# KiCad board pcb.kicad_pcb (continued)
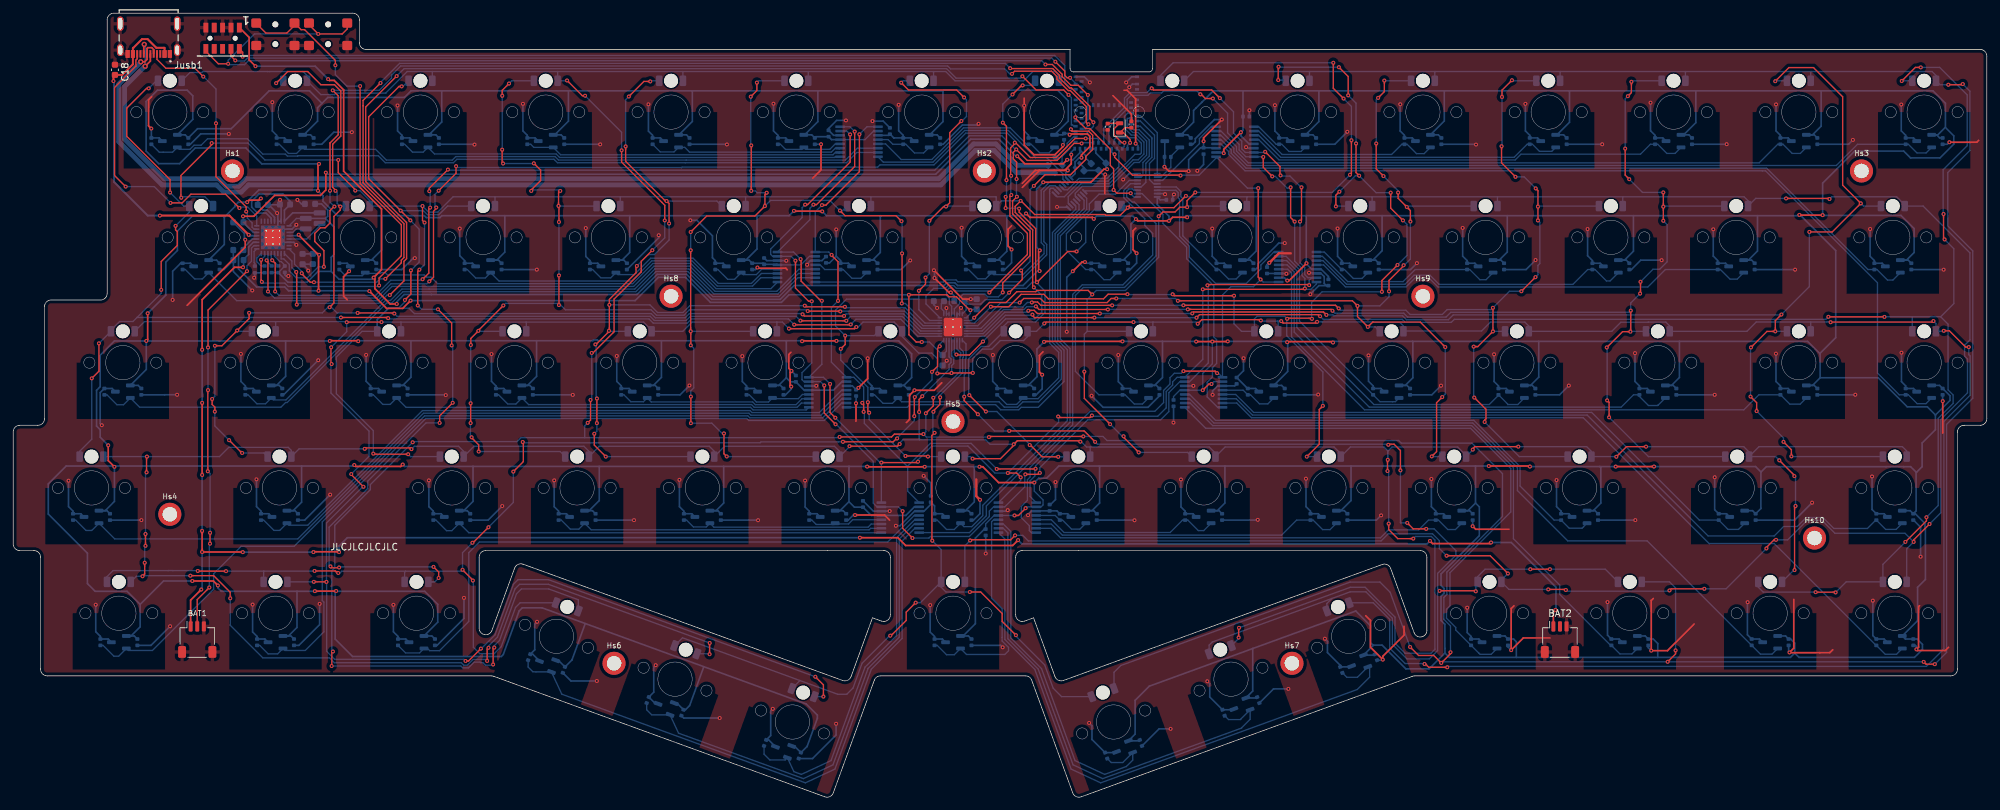
[diagram p0: board, top side]
## Routing (per net, layer and track width the routed paths; a pad name or vN(x,y) marks a point on that pad's centre or on a via; arc(x,y) is an arc through that point) (continued)
VCCS: length 2367
  Top w0.2: v1(181.69,62.61) 181.31,62.61 v1(180.37,61.67) ; v1(151.82,42.67) 152.43,42.67 153.51,43.76 v1(153.51,43.78)
  Top w0.25: v1(15.35,50.05) 14.41,50.99 v1(14.41,53.32) ; v1(37.55,90.75) 37.3,90.49 35.78,90.49 v1(35.47,90.18) ; v1(200.12,68.9) 199.98,69.04 193.25,69.04 v1(193.16,68.95) ; v1(163.85,87.66) 163.62,87.88 154.17,87.88 v1(153.58,88.47) ; v1(59.06,50.4) 58.77,50.11 51.93,50.11 v1(51.72,50.32) ; v1(178,87.9) 175.8,87.9 v1(175.25,87.35) 170.5,87.35 v1(170.23,87.62) ; v1(48.01,69.14) 48.04,69.17 52.24,69.17 v1(52.31,69.1) ; v1(48.96,31.22) 48.94,31.2 v1(45.74,31.2) ; v1(146.51,50.06) 147.02,50.06 149.42,47.66 v1(154.83,47.66) ; v1(129.48,50.08) 129.51,50.05 v1(138.21,50.05) ; v1(118.38,88.87) 118.42,88.83 122.63,88.83 v1(122.67,88.79) ; v1(20.18,69.14) 20.39,69.35 v1(20.39,73.33) ; v1(161.97,96.93) 161.97,97.35 163.25,98.62 163.25,100.17 162.9,100.52 160.3,100.52 v1(160.19,100.41) ; v1(156.3,69) 156.38,69.07 v1(168.2,69.07) ; v1(223.74,50.17) 229.89,50.17 v1(229.97,50.09) ; v1(124.83,69.15) 119.66,69.15 v1(119.61,69.1) ; v1(196.1,80.92) 196.1,80.91 193.48,78.3 v1(193.18,78.3) ; v1(179.36,69.05) v1(181.82,69.05) 184.13,69.05 v1(184.16,69.08) ; v1(186.15,100.79) 183.55,98.19 v1(183.55,97.61) ; v1(242.97,50.09) v1(248.79,50.09) ; v1(31.04,32.04) 30.36,32.73 27.16,32.73 v1(27.16,32.73) ; v1(46.22,91.91) 46.22,95.83 v1(46.37,95.99) ; v1(274.36,88.22) 270.86,88.22 v1(270.82,88.26)
  Bottom w0.2: v1(153.51,43.78) 153.71,43.97 MUXB8.2 155.85,43.97 156.15,44.27 156.15,45.03 154.82,46.37 154.82,47.65 v1(154.83,47.66) ; MUXB2.2 120.74,81.97 119.44,80.67 MUXB2.13 ; MUXB7.2 182.06,62.97 v1(181.69,62.61) ; v1(181.82,69.05) 181.82,65.68 180.37,64.23 v1(180.37,61.67) MUXB7.13 176.9,61.67 175.94,60.71 C23.2 ; MUXB1.2 130.46,100.97 129.16,99.67 MUXB1.13 ; v1(151.82,42.67) MUXB8.13 148.73,42.67 147.45,41.39 C24.2
  Bottom w0.25: 145.67,50.07 146.49,50.07 v1(146.51,50.06) ; 145.67,50.07 145.73,50.02 145.73,44.73 144.4,43.4 TMR51.1 144.83,43.4 Cvcc51.1 ; 145.67,50.07 138.24,50.07 v1(138.21,50.05) ; Cvcc25.1 206.58,81.4 TMR25.1 206.14,81.4 207.56,82.82 207.56,88.14 ; Cvcc65.1 144.83,24.4 TMR65.1 144.03,24.4 145.89,26.26 145.89,39.24 147.25,40.6 C24.2 ; v1(20.39,73.33) 23.14,76.08 23.14,81.1 24.9,82.86 24.9,85.81 27.16,88.07 31.84,88.07 32.01,87.91 ; Cvcc55.1 220.83,43.4 TMR55.1 220.57,43.4 221.73,44.55 ; 98.29,69.17 88.67,69.17 88.55,69.28 88,69.28 87.88,69.17 79.36,69.17 ; 98.29,69.17 117.21,69.17 ; 98.29,69.17 98.29,63.62 97.07,62.4 TMR34.1 97.33,62.4 Cvcc34.1 ; 126.73,44.76 127.56,43.93 C9.2 130.11,42.67 MUXB4.13 135.34,42.67 136.64,43.97 MUXB4.2 ; 126.73,44.76 126.73,50.1 126.72,50.11 ; 126.73,44.76 125.37,43.4 TMR50.1 125.83,43.4 Cvcc50.1 ; 15.35,50.17 8.04,50.17 5.32,47.46 5.32,42.88 11.25,36.95 11.25,32.34 12.42,31.17 17.26,31.17 19.25,29.18 ; 15.35,50.17 v1(15.35,50.05) 15.35,44.8 13.95,43.4 TMR45.1 14.21,43.4 Cvcc45.1 ; 15.35,50.17 43.73,50.17 ; 74.54,88.14 93.48,88.14 ; 74.54,88.14 65,88.14 64.71,87.85 62.64,87.85 62.35,88.14 55.84,88.14 ; 74.54,88.14 74.54,82.62 73.32,81.4 TMR18.1 73.58,81.4 Cvcc18.1 ; 93.48,88.14 93.48,82.56 92.32,81.4 TMR19.1 92.58,81.4 Cvcc19.1 ; 93.48,88.14 112.78,88.14 ; 117.21,69.17 117.23,69.15 117.23,63.55 ; 117.21,69.17 119.54,69.17 v1(119.61,69.1) ; 41.31,69.14 41.31,63.78 39.93,62.4 TMR31.1 40.33,62.4 Cvcc31.1 ; 41.31,69.14 v1(48.01,69.14) ; 41.31,69.14 v1(20.18,69.14) ; 126.72,50.11 129.45,50.11 v1(129.48,50.08) ; 126.72,50.11 107.73,50.11 ; 291.63,100.4 292.1,99.93 Cvcc15.1 ; 291.63,100.4 291.82,100.4 292.98,101.55 292.98,105.18 291.09,107.07 274.13,107.07 ; 291.63,100.4 TMR15.1 ; Cvcc14.1 273.08,100.4 TMR14.1 272.82,100.4 274.13,101.71 274.13,107.07 ; 32.01,87.91 32.01,83.77 TMR16.1 30.83,81.4 Cvcc16.1 ; 32.01,87.91 33.62,89.52 33.62,89.66 34.14,90.18 v1(35.47,90.18) 35.47,90.27 37.25,92.05 46.08,92.05 v1(46.22,91.91) 46.98,91.15 46.98,90.32 49.17,88.14 55.84,88.14 ; v1(156.3,69) 155.23,67.92 155.23,63.72 153.91,62.4 TMR37.1 154.33,62.4 Cvcc37.1 ; v1(163.85,87.66) 164.27,88.08 169.77,88.08 v1(170.23,87.62) 169.48,86.86 169.48,82.55 168.32,81.4 TMR23.1 168.58,81.4 Cvcc23.1 ; Cvcc32.1 59.33,62.4 TMR32.1 59.07,62.4 60.31,63.64 60.31,69.17 ; v1(20.18,69.14) 20.18,64.81 TMR30.1 18.95,62.4 Cvcc30.1 ; v1(20.18,69.14) 15.35,69.14 13.19,66.97 13.19,62.2 12.64,61.65 12.64,56.23 13.19,55.68 13.19,54.54 v1(14.41,53.32) ; 221.73,44.55 222.3,43.98 222.3,39.6 216.5,33.8 216.5,32.06 216.96,31.61 216.96,30.87 216.5,30.41 216.5,26.75 217.08,26.17 217.08,22.51 217.09,22.5 217.09,21.82 217.08,21.81 ; 221.73,44.55 221.73,50.16 221.72,50.17 ; 291.45,57.9 291.45,57.92 290.23,59.15 287.19,59.15 282.78,63.56 273.98,63.56 ; 291.45,57.9 291.45,55.68 289.44,53.66 289.44,50.07 288.61,49.24 288.53,49.24 ; 291.45,57.9 293.67,60.12 293.67,60.82 292.56,61.93 Cvcc44.1 292.08,62.4 TMR44.1 ; 19.25,29.18 22.8,32.73 v1(27.16,32.73) ; 19.25,29.18 19.25,25.78 17.87,24.4 TMR59.1 18.36,24.4 Cvcc59.1 ; MUXB5.13 187.38,99.02 186.15,100.25 v1(186.15,100.79) 186.47,101.11 C21.2 186.47,107.04 186.5,107.07 ; 274.13,107.07 255.13,107.07 ; 288.53,49.24 287.7,50.07 286.64,50.07 286.64,50.07 283.96,50.07 283.96,50.07 265.82,50.07 265.03,49.28 265,49.28 ; 288.53,49.24 288.53,43.35 Cvcc58.1 ; TMR68.1 206.34,21.49 Cvcc68.1 ; TMR68.1 206.18,22.92 206.18,23 ; TMR68.1 204.75,21.57 ; 131.47,88.13 123.33,88.13 v1(122.67,88.79) ; 131.47,88.13 131.48,88.12 131.48,82.55 130.32,81.4 TMR21.1 130.58,81.4 Cvcc21.1 ; 131.47,88.13 150.66,88.13 ; 86.73,26.27 84.72,20.76 84.72,20.76 Cvcc62.1 82.66,20.71 TMR62.1 ; 216.99,107.07 216.99,102.5 TMR11.1 216.08,100.4 Cvcc11.1 ; 216.99,107.07 235.91,107.07 ; 216.99,107.07 197.96,107.07 ; 140.98,107.05 140.98,102.4 138.97,100.4 TMR7.1 140.08,100.4 Cvcc7.1 ; 140.98,107.05 141.1,107.17 158.36,107.17 159.98,105.55 159.98,102.48 TMR8.1 159.13,100.4 Cvcc8.1 159.99,100.61 v1(160.19,100.41) ; 140.98,107.05 140.95,107.07 122.01,107.07 ; 55.84,88.14 55.85,88.13 55.85,82.92 54.32,81.4 TMR17.1 54.58,81.4 Cvcc17.1 ; Cvcc60.1 42.1,24.4 TMR60.1 41.74,24.4 43.03,25.69 43.03,31.17 ; 227.91,21.15 217.74,21.15 217.08,21.81 ; 227.91,21.15 249.36,21.15 ; 227.91,21.15 227.91,23.52 227.5,23.93 Cvcc69.1 226.18,24.4 TMR69.1 ; Cvcc47.1 68.83,43.4 TMR47.1 68.32,43.4 69.73,44.81 69.73,50.09 69.71,50.11 ; 150.66,88.13 153.23,88.13 v1(153.58,88.47) ; 150.66,88.13 150.66,82.74 149.32,81.4 TMR22.1 149.58,81.4 Cvcc22.1 ; 196.07,88.14 188.41,88.14 ; 196.07,88.14 207.56,88.14 ; 196.07,88.14 196.06,88.13 196.06,80.96 v1(196.1,80.92) 196.1,80.8 196.88,80.02 MUXB6.13 198.31,80.02 199.42,78.91 C22.2 ; 188.41,88.14 177.78,88.14 177.78,88.12 v1(178,87.9) ; 188.41,88.14 188.48,88.07 188.48,82.78 187.1,81.4 TMR24.1 187.58,81.4 Cvcc24.1 ; 64.97,107.07 84.19,107.07 ; 64.97,107.07 60.32,107.07 59.32,106.07 47.72,106.07 46.82,105.18 ; 64.97,107.07 64.98,107.07 64.98,102.34 63.03,100.4 TMR3.1 64.08,100.4 Cvcc3.1 ; 84.19,107.07 102.92,107.07 ; 84.19,107.07 84.19,102.48 82.11,100.4 TMR4.1 83.08,100.4 Cvcc4.1 ; 174.26,69.07 174.26,63.59 173.07,62.4 TMR38.1 173.33,62.4 Cvcc38.1 ; 174.26,69.07 179.33,69.07 v1(179.36,69.05) ; 174.26,69.07 v1(168.2,69.07) ; Cvcc46.1 42.7,43.4 TMR46.1 42.45,43.4 43.73,44.68 43.73,50.17 ; 117.23,63.55 117.84,62.94 C8.2 119.94,61.67 MUXB3.13 124.37,61.67 125.67,62.97 MUXB3.2 ; 117.23,63.55 116.07,62.4 TMR35.1 116.33,62.4 Cvcc35.1 ; 187.99,22.51 172.26,16.78 170.11,14.63 170.11,9.5 TMR66.1 ; 187.99,22.51 203.54,28.16 203.58,28.16 205.79,25.95 205.79,23.39 206.18,23 ; 187.99,22.51 187.94,22.46 187.94,16.04 TMR67.1 ; 79.36,69.17 60.31,69.17 ; 79.36,69.17 79.36,63.77 77.99,62.4 TMR33.1 78.33,62.4 Cvcc33.1 ; 249.36,21.15 269.47,21.15 270.13,21.81 ; 249.36,21.15 249.36,23.25 248.68,23.93 Cvcc70.1 247.46,24.4 TMR70.1 ; Cvcc9.1 178.08,100.4 TMR9.1 177.05,100.4 178.98,102.32 178.98,104.08 179.35,104.45 179.35,104.46 180.21,105.32 180.22,105.32 181.97,107.07 186.5,107.07 ; 186.5,107.07 197.96,107.07 ; 112.78,88.14 117.65,88.14 v1(118.38,88.87) ; 112.78,88.14 112.78,83.09 111.09,81.4 TMR20.1 111.58,81.4 Cvcc20.1 113.69,80.93 C7.2 ; 207.56,88.14 226.54,88.14 ; TMR58.1 287.63,43.4 Cvcc58.1 ; 102.92,107.07 102.98,107.02 102.98,102.42 100.95,100.4 TMR5.1 102.08,100.4 Cvcc5.1 ; 102.92,107.07 122.01,107.07 ; Cvcc26.1 225.58,81.4 TMR26.1 225.32,81.4 226.54,82.62 226.54,88.14 ; 69.71,50.11 59.35,50.11 v1(59.06,50.4) ; 69.71,50.11 88.86,50.11 ; 273.93,67.23 276.34,69.64 276.34,82.85 270.93,88.26 v1(270.82,88.26) 270.7,88.14 264.48,88.14 ; 273.93,67.23 273.98,67.18 273.98,63.55 272.82,62.4 TMR43.1 273.08,62.4 Cvcc43.1 ; 273.93,67.23 272.09,69.07 252.64,69.07 ; Cvcc2.1 45.08,100.4 TMR2.1 44.07,100.4 46.15,102.48 46.15,104.51 46.82,105.18 ; 46.82,105.18 44.92,107.07 38.81,107.07 33.06,101.33 27.95,101.33 Cvcc1.1 26.08,100.4 TMR1.1 27.23,102.74 27.23,106.31 26.37,107.17 21.87,107.17 20.15,105.45 20.15,97.93 22.06,96.03 25.23,96.03 27.6,98.4 35.29,98.4 37.7,95.99 v1(46.37,95.99) ; 255.13,107.07 255.13,102.25 253.28,100.4 TMR13.1 254.08,100.4 Cvcc13.1 ; 255.13,107.07 235.91,107.07 ; TMR67.1 188.49,14.99 Cvcc67.1 ; TMR67.1 186.9,15.07 ; TMR66.1 169.1,8.57 ; TMR66.1 170.69,8.49 Cvcc66.1 ; v1(154.83,47.66) 155.5,48.32 156.7,48.32 158.54,50.17 164.66,50.17 ; 183.72,50.17 202.85,50.17 ; 183.72,50.17 183.73,50.16 183.73,44.55 182.57,43.4 TMR53.1 182.83,43.4 Cvcc53.1 ; 183.72,50.17 164.66,50.17 ; 202.85,50.17 221.72,50.17 ; 202.85,50.17 202.85,44.94 201.31,43.4 TMR54.1 201.83,43.4 Cvcc54.1 ; 60.31,69.17 52.39,69.17 v1(52.31,69.1) ; Cvcc27.1 244.58,81.4 TMR27.1 244.32,81.4 245.67,82.75 245.67,88.14 ; 212.19,69.07 231.31,69.07 ; 212.19,69.07 200.29,69.07 v1(200.12,68.9) ; 212.19,69.07 212.23,69.04 212.23,63.55 211.07,62.4 TMR40.1 211.33,62.4 Cvcc40.1 ; 231.31,69.07 231.31,63.64 230.07,62.4 TMR41.1 230.33,62.4 Cvcc41.1 ; 231.31,69.07 252.64,69.07 ; 206.18,23 207.56,23 211.16,19.41 214.68,19.41 217.08,21.81 ; 270.13,21.81 270.13,21.8 270.78,21.15 288.28,21.15 289.49,22.36 289.49,23.12 288.68,23.93 Cvcc72.1 286.91,23.93 TMR72.1 288.75,26.71 288.75,31.78 289.94,32.97 289.94,40.79 289.87,40.86 289.87,41.47 288.41,42.93 Cvcc58.1 ; 270.13,21.81 270.13,23.31 269.51,23.93 Cvcc71.1 268.73,24.4 TMR71.1 ; TMR64.1 118.43,7.71 Cvcc64.1 120.37,7.64 120.38,7.64 121.93,11.91 121.93,12.39 120.24,14.08 83.31,27.52 ; 197.96,107.07 197.98,107.06 197.98,102.41 195.96,100.4 TMR10.1 197.08,100.4 Cvcc10.1 ; Cvcc52.1 163.83,43.4 TMR52.1 163.57,43.4 164.73,44.55 164.73,50.1 164.66,50.17 ; Cvcc61.1 63.48,24.4 TMR61.1 64.38,26.48 64.38,29.18 62.39,31.17 49.01,31.17 v1(48.96,31.22) 48.82,31.08 48.82,23.93 51.47,21.28 74.01,21.28 74.31,21.58 76.72,28.2 77.18,28.66 80.19,28.66 83.34,27.51 ; 88.86,50.11 88.86,44.93 87.33,43.4 TMR48.1 87.83,43.4 Cvcc48.1 ; 88.86,50.11 107.73,50.11 ; 43.73,50.17 51.56,50.17 v1(51.72,50.32) ; 245.67,88.14 226.54,88.14 ; 245.67,88.14 264.48,88.14 ; Cvcc39.1 192.33,62.4 TMR39.1 193.25,64.51 193.25,68.86 v1(193.16,68.95) 193.16,69.04 193.12,69.08 v1(184.16,69.08) ; 43.03,31.17 45.71,31.17 v1(45.74,31.2) ; 43.03,31.17 31.55,31.17 31.04,31.68 v1(31.04,32.04) ; MUXB6.2 192.75,78.72 v1(193.18,78.3) ; 252.64,69.07 252.64,63.59 251.44,62.4 TMR42.1 251.71,62.4 Cvcc42.1 ; 240.58,50.09 v1(242.97,50.09) ; 240.58,50.09 240.73,49.94 240.73,44.55 239.57,43.4 TMR56.1 239.83,43.4 Cvcc56.1 ; 240.58,50.09 v1(229.97,50.09) ; 221.72,50.17 v1(223.74,50.17) ; v1(183.55,97.61) 183.45,97.72 MUXB5.2 ; 135.55,61.93 135.08,62.4 TMR36.1 135.05,62.4 136.23,63.58 136.23,67.18 134.26,69.15 v1(124.83,69.15) ; 104.71,19.73 102.57,13.84 101.93,13.2 Cvcc63.1 100.63,14.21 TMR63.1 ; C7.2 115.8,80.76 MUXB2.13 ; C7.2 113.83,80.76 ; 265,49.28 264.19,50.09 v1(248.79,50.09) ; 265,49.28 265,43.72 Cvcc57.1 263.73,43.4 TMR57.1 ; 264.48,88.14 264.48,82.79 263.09,81.4 TMR28.1 263.58,81.4 Cvcc28.1 ; 122.01,107.07 122.01,102.41 120,100.4 TMR6.1 121.08,100.4 Cvcc6.1 121.74,100.12 C6.2 124.08,99.67 MUXB1.13 ; Cvcc12.1 235.08,100.4 TMR12.1 234.07,100.4 235.98,102.3 235.98,107.01 235.91,107.07 ; Cvcc49.1 106.83,43.4 TMR49.1 106.57,43.4 107.73,44.56 107.73,50.11 ; MUXA1.16 161.01,94.52 C5.2 161,95.42 161,96.3 161.63,96.93 v1(161.97,96.93) ; v1(175.25,87.35) 175.25,88.05 173.47,89.83 MUXA2.16 173.91,90.55 C20.2 ; Cvcc29.1 287.33,81.4 TMR29.1 287.07,81.4 288.23,82.55 288.23,86.18 286.24,88.17 274.41,88.17 v1(274.36,88.22) 274.36,93.08 279.22,97.94 286.64,97.94 287.68,96.9 292.14,96.9 294.25,99 294.25,100.24 293.07,101.42 ; v1(37.55,90.75) 37.07,90.27 C27.1 37.87,88.98 38.52,88.98 39.62,87.88 PMIC1.29
/AIN0: length 22
  Bottom w0.2: MUXA1.4 161.03,91.09 161.03,91.53 162.09,92.59 166.36,92.59 169.97,96.2 170.74,96.2 171.85,97.32 171.85,99.46 170.56,100.76 169.75,100.76 168.92,101.59 168.9,101.59 168.9,102.6 168.9,102.6 168.9,102.8 169,102.9 MDBT1.11
/AIN1: length 24.4
  Bottom w0.2: MDBT1.9 169,103.7 168.5,103.19 168.5,101.39 169.53,100.36 170.39,100.36 171.45,99.3 171.45,97.48 170.57,96.6 169.81,96.6 166.19,92.99 161.93,92.99 159.97,91.03 159.97,90.03 MUXA1.7
/AIN2: length 13.2
  Bottom w0.2: MDBT1.20 167.65,98 167.65,95.58 165.86,93.79 161.59,93.79 159.87,92.06 159.35,92.06 MUXA1.12
/AIN3: length 22.6
  Bottom w0.2: MUXA1.9 158.29,91 159.38,91 161.76,93.39 166.02,93.39 170.08,97.45 170.85,97.45 171.05,97.65 171.05,99.13 170.23,99.96 167.21,99.96 166.95,99.7 MDBT1.21
/AIN4: length 10.8
  Bottom w0.2: MDBT1.13 169.5,101.58 169.92,101.16 170.72,101.16 172.25,99.63 172.25,97.15 171.3,96.2 171.3,94.26 171.03,93.99 MUXA2.7 170.43,93.95
/AIN5: length 10.4
  Bottom w0.2: MDBT1.10 170.9,103.3 173.47,100.73 MUXA2.9
/AIN6: length 11.7
  Bottom w0.2: MUXA2.4 171.03,92.49 171.74,93.19 171.74,96.07 172.65,96.99 172.65,99.79 172.65,99.79 172.65,99.94 170.9,101.7 MDBT1.14
/AIN7: length 12
  Bottom w0.2: MDBT1.12 170.9,102.5 173.05,100.34 173.05,96.82 172.29,96.05 172.29,93.61 172.91,92.99 MUXA2.12
/ANA_01: length 114.4
  Bottom w0.2: MUXB1.7 127.91,97.72 126.35,96.16 101.89,96.16 101.89,96.17 82.52,96.17 81.99,96.69 67.28,96.69 66.75,96.16 56.42,96.16 55.36,97.23 43.18,97.23 43.13,97.18 41.57,97.18 41.27,97.48 37.84,97.48 35.52,99.8 29.47,99.8 28.5,98.83 27.43,98.83 26.8,98.2 25.19,98.2 TMR1.2 24.16,97.77 22.76,97.77 22.76,97.76 22.16,97.76 Cvout1.1
/ANA_02: length 94.1
  Bottom w0.2: Cvout2.1 40.35,98.97 41.74,97.58 42.97,97.58 TMR2.2 44.19,98.2 54.96,98.2 56.59,96.56 66.59,96.56 67.12,97.09 82.16,97.09 82.69,96.57 102.06,96.57 102.06,96.56 126.19,96.56 127.99,98.37 MUXB1.6
/ANA_03: length 67.9
  Bottom w0.2: Cvout3.1 59.35,98.97 60.54,97.78 62.17,97.78 TMR3.2 63.89,97.49 82.32,97.49 82.85,96.97 124.55,96.97 124.65,97.07 MUXB1.9
/ANA_04: length 48.5
  Bottom w0.2: Cvout4.1 78.47,98.97 78.94,98.5 TMR4.2 83.02,97.37 124.3,97.37 124.65,97.72 MUXB1.10 125.24,97.57
/ANA_05: length 30
  Bottom w0.2: 125.24,98.22 MUXB1.11 124.65,98.37 124.06,97.78 102.55,97.78 101.83,98.5 TMR5.2 100.2,97.81 98.11,97.81 Cvout5.1
/ANA_06: length 10.4
  Bottom w0.2: Cvout6.1 116.33,98.97 117.11,98.19 119.58,98.19 TMR6.2 120.19,98.2 123.82,98.2 124.64,99.02 MUXB1.12
/ANA_07: length 9
  Bottom w0.2: MUXB1.4 132.67,99.67 133.37,98.97 Cvout7.1 135.35,98.97 136.67,97.65 138.04,97.65 TMR7.2
/ANA_08: length 31.7
  Bottom w0.2: TMR8.2 157.06,97.67 155.64,97.67 154.34,98.97 Cvout8.1 153.64,98.97 151.15,101.46 144.09,101.46 139.29,96.66 134.64,96.66 132.28,99.02 MUXB1.5
/ANA_09: length 6.3
  Bottom w0.2: MUXA2.10 174.03,93.99 175.53,95.49 Cvout9.1 175.53,97.14 TMR9.2
/ANA_10: length 9.6
  Bottom w0.2: TMR10.2 195.27,97.88 193.44,97.88 192.35,98.97 Cvout10.1 191.5,98.97 188.85,101.62 MUXB5.9
/ANA_11: length 29.9
  Bottom w0.2: MUXB5.10 188.85,100.97 192.4,97.42 209,97.42 210.55,98.97 Cvout11.1 211.35,98.97 212.77,97.55 213.94,97.55 TMR11.2
/ANA_12: length 48.7
  Bottom w0.2: TMR12.2 233.29,97.9 231.42,97.9 230.35,98.97 Cvout12.1 229.55,98.97 227.57,96.99 192.18,96.99 188.85,100.32 MUXB5.11
/ANA_13: length 68
  Bottom w0.2: MUXB5.12 188.85,99.67 191.93,96.59 227.74,96.59 228.62,97.47 246.74,97.47 248.24,98.97 Cvout13.1 249.35,98.97 250.74,97.58 251.97,97.58 TMR13.2
/ANA_14: length 94
  Bottom w0.2: TMR14.2 270.97,97.58 269.74,97.58 268.35,98.97 Cvout14.1 267.55,98.97 264.73,96.15 187.27,96.15 185.48,97.93 185.48,98.62 183.12,100.97 MUXB5.7
/ANA_15: length 113
  Bottom w0.2: TMR15.2 290.05,97.66 288.66,97.66 287.35,98.97 Cvout15.1 279.65,98.97 276.43,95.75 187.1,95.75 185.08,97.77 185.08,98.37 183.12,100.32 MUXB5.6
/ANA_16: length 103.8
  Bottom w0.2: MUXB2.5 119.14,80.02 115.79,76.67 106.41,76.67 102.59,80.49 97.16,80.49 94.08,77.41 62.9,77.41 62.9,77.4 57.44,77.4 55.28,75.25 33.89,75.25 TMR16.2 28.69,78.55 27.52,78.55 26.1,79.97 Cvout16.1
/ANA_17: length 71.1
  Bottom w0.2: Cvout17.1 50.39,79.03 52.92,79.03 TMR17.2 53.5,79.38 55.65,79.38 55.77,79.5 56.4,79.5 56.76,79.15 62.34,79.15 62.67,78.82 63.36,78.82 64.35,77.83 93.93,77.83 96.99,80.89 102.76,80.89 106.58,77.07 114.88,77.07 MUXB2.9
/ANA_18: length 52.2
  Bottom w0.2: MUXB2.10 113.36,78.72 112.11,77.47 106.74,77.47 102.92,81.29 96.83,81.29 93.77,78.23 73.66,78.23 TMR18.2 71.58,78.69 70.13,78.69 68.85,79.97 Cvout18.1
/ANA_19: length 32.6
  Bottom w0.2: Cvout19.1 87.85,79.97 89.11,78.71 90.6,78.71 TMR19.2 91.69,79.2 94.17,79.2 96.66,81.69 103.09,81.69 106.91,77.87 111.94,77.87 113.45,79.37 MUXB2.11
/ANA_20: length 10.9
  Bottom w0.2: MUXB2.12 113.5,80.02 112.68,79.2 110.69,79.2 TMR20.2 109.38,78.49 108.33,78.49 106.85,79.97 Cvout20.1
/ANA_21: length 9
  Bottom w0.2: MUXB2.4 122.35,80.67 123.05,79.97 Cvout21.1 125.85,79.97 127.17,78.65 128.54,78.65 TMR21.2
/ANA_22: length 28.3
  Bottom w0.2: MUXA1.13 159.3,92.81 158.76,93.35 157.25,93.35 155.88,91.97 155.88,84.04 156.31,83.61 156.31,82.37 153.13,79.2 148.69,79.2 TMR22.2 148.37,79.5 147.44,78.57 146.25,78.57 144.85,79.97 Cvout22.1
/ANA_23: length 27.2
  Bottom w0.2: MUXA2.6 169.22,93.49 167.13,91.4 164.64,91.4 163.17,89.93 163.17,88.9 159.69,85.42 159.69,82.9 162.62,79.97 Cvout23.1 163.85,79.97 165.39,78.43 166.32,78.43 TMR23.2
/ANA_24: length 22.9
  Bottom w0.2: MUXA2.13 176.35,92.49 177.05,91.79 177.05,91.01 177.35,90.71 177.35,85.06 182.45,79.97 Cvout24.1 182.85,79.97 184.28,78.54 185.43,78.54 TMR24.2
/ANA_25: length 9.8
  Bottom w0.2: TMR25.2 204.51,78.62 203.2,78.62 201.85,79.97 Cvout25.1 198.79,82.62 MUXB6.9
/ANA_26: length 30.2
  Bottom w0.2: MUXB6.10 198.51,81.97 202.34,78.14 210.74,78.14 212.57,79.97 Cvout26.1 220.85,79.97 222.39,78.43 223.32,78.43 TMR26.2
/ANA_27: length 50.6
  Bottom w0.2: MUXB6.11 198.59,81.32 202.18,77.74 211.03,77.74 212.4,79.11 214.82,79.11 216.21,77.72 236.49,77.72 238.74,79.97 Cvout27.1 239.85,79.97 241.58,78.24 242.13,78.24 TMR27.2
/ANA_28: length 69.4
  Bottom w0.2: TMR28.2 261.41,78.52 260.3,78.52 258.85,79.97 Cvout28.1 250.5,79.97 247.85,77.32 216.04,77.32 214.65,78.71 212.57,78.71 211.2,77.34 202.01,77.34 198.68,80.67 MUXB6.12
/ANA_29: length 113.3
  Bottom w0.2: TMR29.2 285.02,78.38 284.19,78.38 282.6,79.97 Cvout29.1 281.24,79.97 265.86,95.35 186.94,95.35 184.68,97.6 184.68,98.12 183.12,99.67 MUXB5.5
/ANA_30: length 120.7
  Bottom w0.2: Cvout30.1 14.22,60.97 15.72,59.47 16.73,59.47 TMR30.2 19.17,59.09 40.59,59.09 41.3,59.8 41.53,59.8 56.61,74.88 57.37,74.88 59.1,76.6 63.23,76.6 94.41,76.61 97.46,79.66 102.29,79.66 106.08,75.87 116.12,75.87 118.98,78.72 MUXB2.7
/ANA_31: length 98.6
  Bottom w0.2: MUXB2.6 119.06,79.37 115.96,76.27 106.25,76.27 102.45,80.06 97.3,80.06 94.24,77.01 63.06,77.01 58.93,77 57.2,75.28 56.44,75.28 41.36,60.2 39.44,60.2 TMR31.2 38.25,59.61 36.96,59.61 35.6,60.97 Cvout31.1
/ANA_32: length 68.4
  Bottom w0.2: MUXB3.9 120.24,58.68 112.19,58.68 111.8,59.07 59.56,59.07 TMR32.2 57.16,59.52 56.05,59.52 54.6,60.97 Cvout32.1
/ANA_33: length 49.2
  Bottom w0.2: MUXB3.10 119.5,59.72 118.86,59.08 112.36,59.08 111.95,59.48 78.15,59.48 TMR33.2 76.22,59.58 74.99,59.58 73.6,60.97 Cvout33.1
/ANA_34: length 29.9
  Bottom w0.2: MUXB3.11 119.59,60.37 118.69,59.48 112.52,59.48 112.11,59.89 96.75,59.89 TMR34.2 95.56,59.92 93.65,59.92 92.6,60.97 Cvout34.1
/ANA_35: length 10.5
  Bottom w0.2: MUXB3.12 119.67,61.02 119.04,60.38 115.25,60.38 TMR35.2 114.52,59.88 112.69,59.88 111.6,60.97 Cvout35.1
/ANA_36: length 60.8
  Bottom w0.2: MUXA1.6 161.12,89.59 161.12,89.11 157.58,85.58 157.58,68.93 158.93,67.59 158.93,63.34 155.48,59.89 153.09,59.89 152.3,59.1 150.28,59.1 149.47,59.91 134.72,59.91 TMR36.2 133.32,59.68 131.89,59.68 130.6,60.97 Cvout36.1
/ANA_37: length 42.2
  Bottom w0.2: MUXA1.10 158.24,91.75 157.7,92.29 157.32,92.29 157.16,92.12 157.16,91.84 157.14,91.82 157.14,91.51 157.16,91.49 157.16,68.79 158.53,67.42 158.53,63.53 155.38,60.38 153.25,60.38 TMR37.2 153.13,60.5 152.15,59.52 150.65,59.52 Cvout37.1
/ANA_38: length 53.5
  Bottom w0.2: MUXA2.3 169.91,91.99 169.7,92.2 169.18,92.2 168.82,91.84 168.82,91.01 169.63,90.2 170.01,90.2 173.28,86.93 173.28,82.03 168.5,77.25 162.26,77.25 161.06,76.05 161.06,64.52 164.61,60.97 Cvout38.1 168.6,60.97 169.99,59.58 171.22,59.58 TMR38.2
/ANA_39: length 9
  Bottom w0.2: TMR39.2 190.24,59.6 188.97,59.6 187.6,60.97 Cvout39.1 186.5,61.67 MUXB7.4
/ANA_40: length 32.2
  Bottom w0.2: TMR40.2 209.57,59.93 209.17,59.93 209.16,59.92 207.25,59.92 Cvout40.1 195.03,72.14 195.03,79.94 193,81.97 MUXB6.7
/ANA_41: length 53.1
  Bottom w0.2: MUXB6.6 193.09,81.32 194.63,79.78 194.63,71.18 206.32,59.5 223.81,59.5 225.2,60.89 Cvout41.1 226.59,59.58 226.59,59.5 228.14,59.5 TMR41.2
/ANA_42: length 75
  Bottom w0.2: TMR42.2 249.42,59.41 249.41,59.41 249.35,59.35 247.95,59.35 246.57,60.72 Cvout42.1 245.68,60.97 243.81,59.1 205.62,59.1 194.23,70.49 194.23,79.61 193.17,80.67 MUXB6.5
/ANA_43: length 96.4
  Bottom w0.2: TMR43.2 270.95,59.56 269.38,59.56 267.97,60.97 Cvout43.1 264.68,60.97 262.41,58.7 204.89,58.7 193.83,69.76 193.83,79.44 193.25,80.02 MUXB6.4
/ANA_44: length 133.5
  Bottom w0.2: TMR44.2 290.02,59.63 288.69,59.63 287.35,60.97 Cvout44.1 285.97,60.97 282.67,64.27 282.67,77.97 265.7,94.94 265.21,94.94 265.2,94.95 186.77,94.95 184.28,97.44 184.28,97.87 183.12,99.02 MUXB5.4
/ANA_45: length 128.7
  Bottom w0.2: MUXB3.5 125.63,61.02 122.48,57.88 111.86,57.88 111.56,58.18 62.21,58.18 44.83,40.8 43.15,39.12 15.39,39.12 TMR45.2 11.91,40.4 11.04,40.4 9.47,41.97 Cvout45.1
/ANA_46: length 98.7
  Bottom w0.2: MUXB3.4 125.63,61.67 122.23,58.28 112.03,58.28 111.73,58.58 62.05,58.58 44.67,41.2 41.81,41.2 TMR46.2 40.42,40.41 39.53,40.41 37.98,41.97 Cvout46.1
/ANA_47: length 69.7
  Bottom w0.2: MUXB4.9 130.9,40.07 130.88,40.05 69.09,40.05 TMR47.2 66.51,40.37 65.7,40.37 64.1,41.97 Cvout47.1
/ANA_48: length 50.4
  Bottom w0.2: MUXB4.10 130.01,40.72 129.78,40.49 87.64,40.49 TMR48.2 86.64,41.47 85.76,40.6 84.47,40.6 83.1,41.97 Cvout48.1
/ANA_49: length 31.1
  Bottom w0.2: MUXB4.11 130.09,41.37 129.62,40.89 106.24,40.89 TMR49.2 105.64,41.47 105.09,40.93 103.14,40.93 102.1,41.97 Cvout49.1
/ANA_50: length 11.6
  Bottom w0.2: MUXB4.12 127.29,42.02 126.66,41.38 124.75,41.38 TMR50.2 124.64,41.47 124.47,41.31 121.76,41.31 121.1,41.97 Cvout50.1
/ANA_51: length 65.4
  Bottom w0.2: Cvout51.1 140.1,41.97 141.52,40.55 142.69,40.55 TMR51.2 144.16,40.98 145.34,40.98 147.01,42.65 147.01,44.21 159.84,57.04 159.84,67.8 158.38,69.26 158.38,85.24 162.37,89.23 162.37,90.47 161.8,91.05 MUXA1.3
/ANA_52: length 8.8
  Bottom w0.2: TMR52.2 161.74,40.6 160.47,40.6 159.1,41.97 Cvout52.1 158,42.67 MUXB8.4
/ANA_53: length 29.2
  Bottom w0.2: MUXB8.5 157.41,42.02 159.34,40.09 175.42,40.09 177.3,41.97 Cvout53.1 178.1,41.97 179.69,40.38 180.52,40.38 TMR53.2
/ANA_54: length 48.2
  Bottom w0.2: MUXB8.6 157.4,41.37 159.08,39.69 192.32,39.69 194.6,41.97 Cvout54.1 197.1,41.97 198.54,40.53 199.67,40.53 TMR54.2
/ANA_55: length 67.2
  Bottom w0.2: TMR55.2 218.68,40.54 217.53,40.54 216.1,41.97 Cvout55.1 214.59,41.97 213.11,40.49 208.52,40.49 207.32,39.29 158.8,39.29 157.37,40.72 MUXB8.7
/ANA_56: length 71.5
  Bottom w0.2: MUXB7.12 178.37,61.02 182.3,57.1 221.47,57.1 228.48,50.08 228.48,47.14 233.65,41.97 Cvout56.1 235.93,40.74 237.89,40.74 238.11,40.96 238.11,40.97 TMR56.2
/ANA_57: length 88
  Bottom w0.2: MUXB7.5 185.36,61.02 188.08,58.3 239.34,58.3 255.67,41.97 Cvout57.1 260.01,40.56 261.6,40.56 TMR57.2
/ANA_58: length 115
  Bottom w0.2: TMR58.2 285.5,40.56 283.91,40.56 Cvout58.1 282.41,41.97 281.14,40.7 276.06,40.7 274.4,42.36 271.87,42.36 270.51,41 268.44,41 267.01,39.57 256.99,39.57 238.66,57.9 187.92,57.9 185.44,60.37 MUXB7.6
/ANA_59: length 131.9
  Bottom w0.2: Cvout59.1 13.62,22.97 15.27,21.33 15.99,21.33 TMR59.2 17.46,22.2 21.11,22.2 30.39,31.48 30.39,33.82 34.57,38 42.6,38 62.38,57.78 111.39,57.78 111.69,57.48 122.73,57.48 125.63,60.37 MUXB3.6
/ANA_60: length 116.3
  Bottom w0.2: MUXB3.7 125.63,59.72 122.98,57.07 111.53,57.07 111.23,57.37 62.55,57.37 46.86,41.69 46.86,29.77 47.11,29.52 47.11,25.03 44.28,22.2 41.21,22.2 TMR60.2 40.09,21.68 38.66,21.68 37.38,22.97 Cvout60.1
/ANA_61: length 94.5
  Bottom w0.2: MUXB4.4 136.63,42.67 132.6,38.65 70.69,38.65 69.08,37.04 69.08,26.6 64.64,22.17 63.15,22.17 62.82,22.5 TMR61.2 61.62,21.83 59.49,21.83 Cvout61.1
/ANA_62: length 93.7
  Bottom w0.2: 81.61,18.95 79.27,18.95 78.79,18.97 78.07,19.68 Cvout62.1 ; MUXB4.7 136.71,40.72 134.78,38.8 134.78,24.02 130.11,19.35 124.6,4.21 120.11,2.12 83.19,15.56 TMR62.2
/ANA_63: length 74.1
  Bottom w0.2: Cvout63.1 96.05,13.2 96.82,12.43 TMR63.2 100.89,9.65 119.81,2.76 124.3,4.85 129.61,19.45 129.61,19.47 134.35,24.21 134.35,39.1 136.63,41.37 MUXB4.6